# Altium PCB Archimajor.PcbDoc (part 3 of 13) (continued)
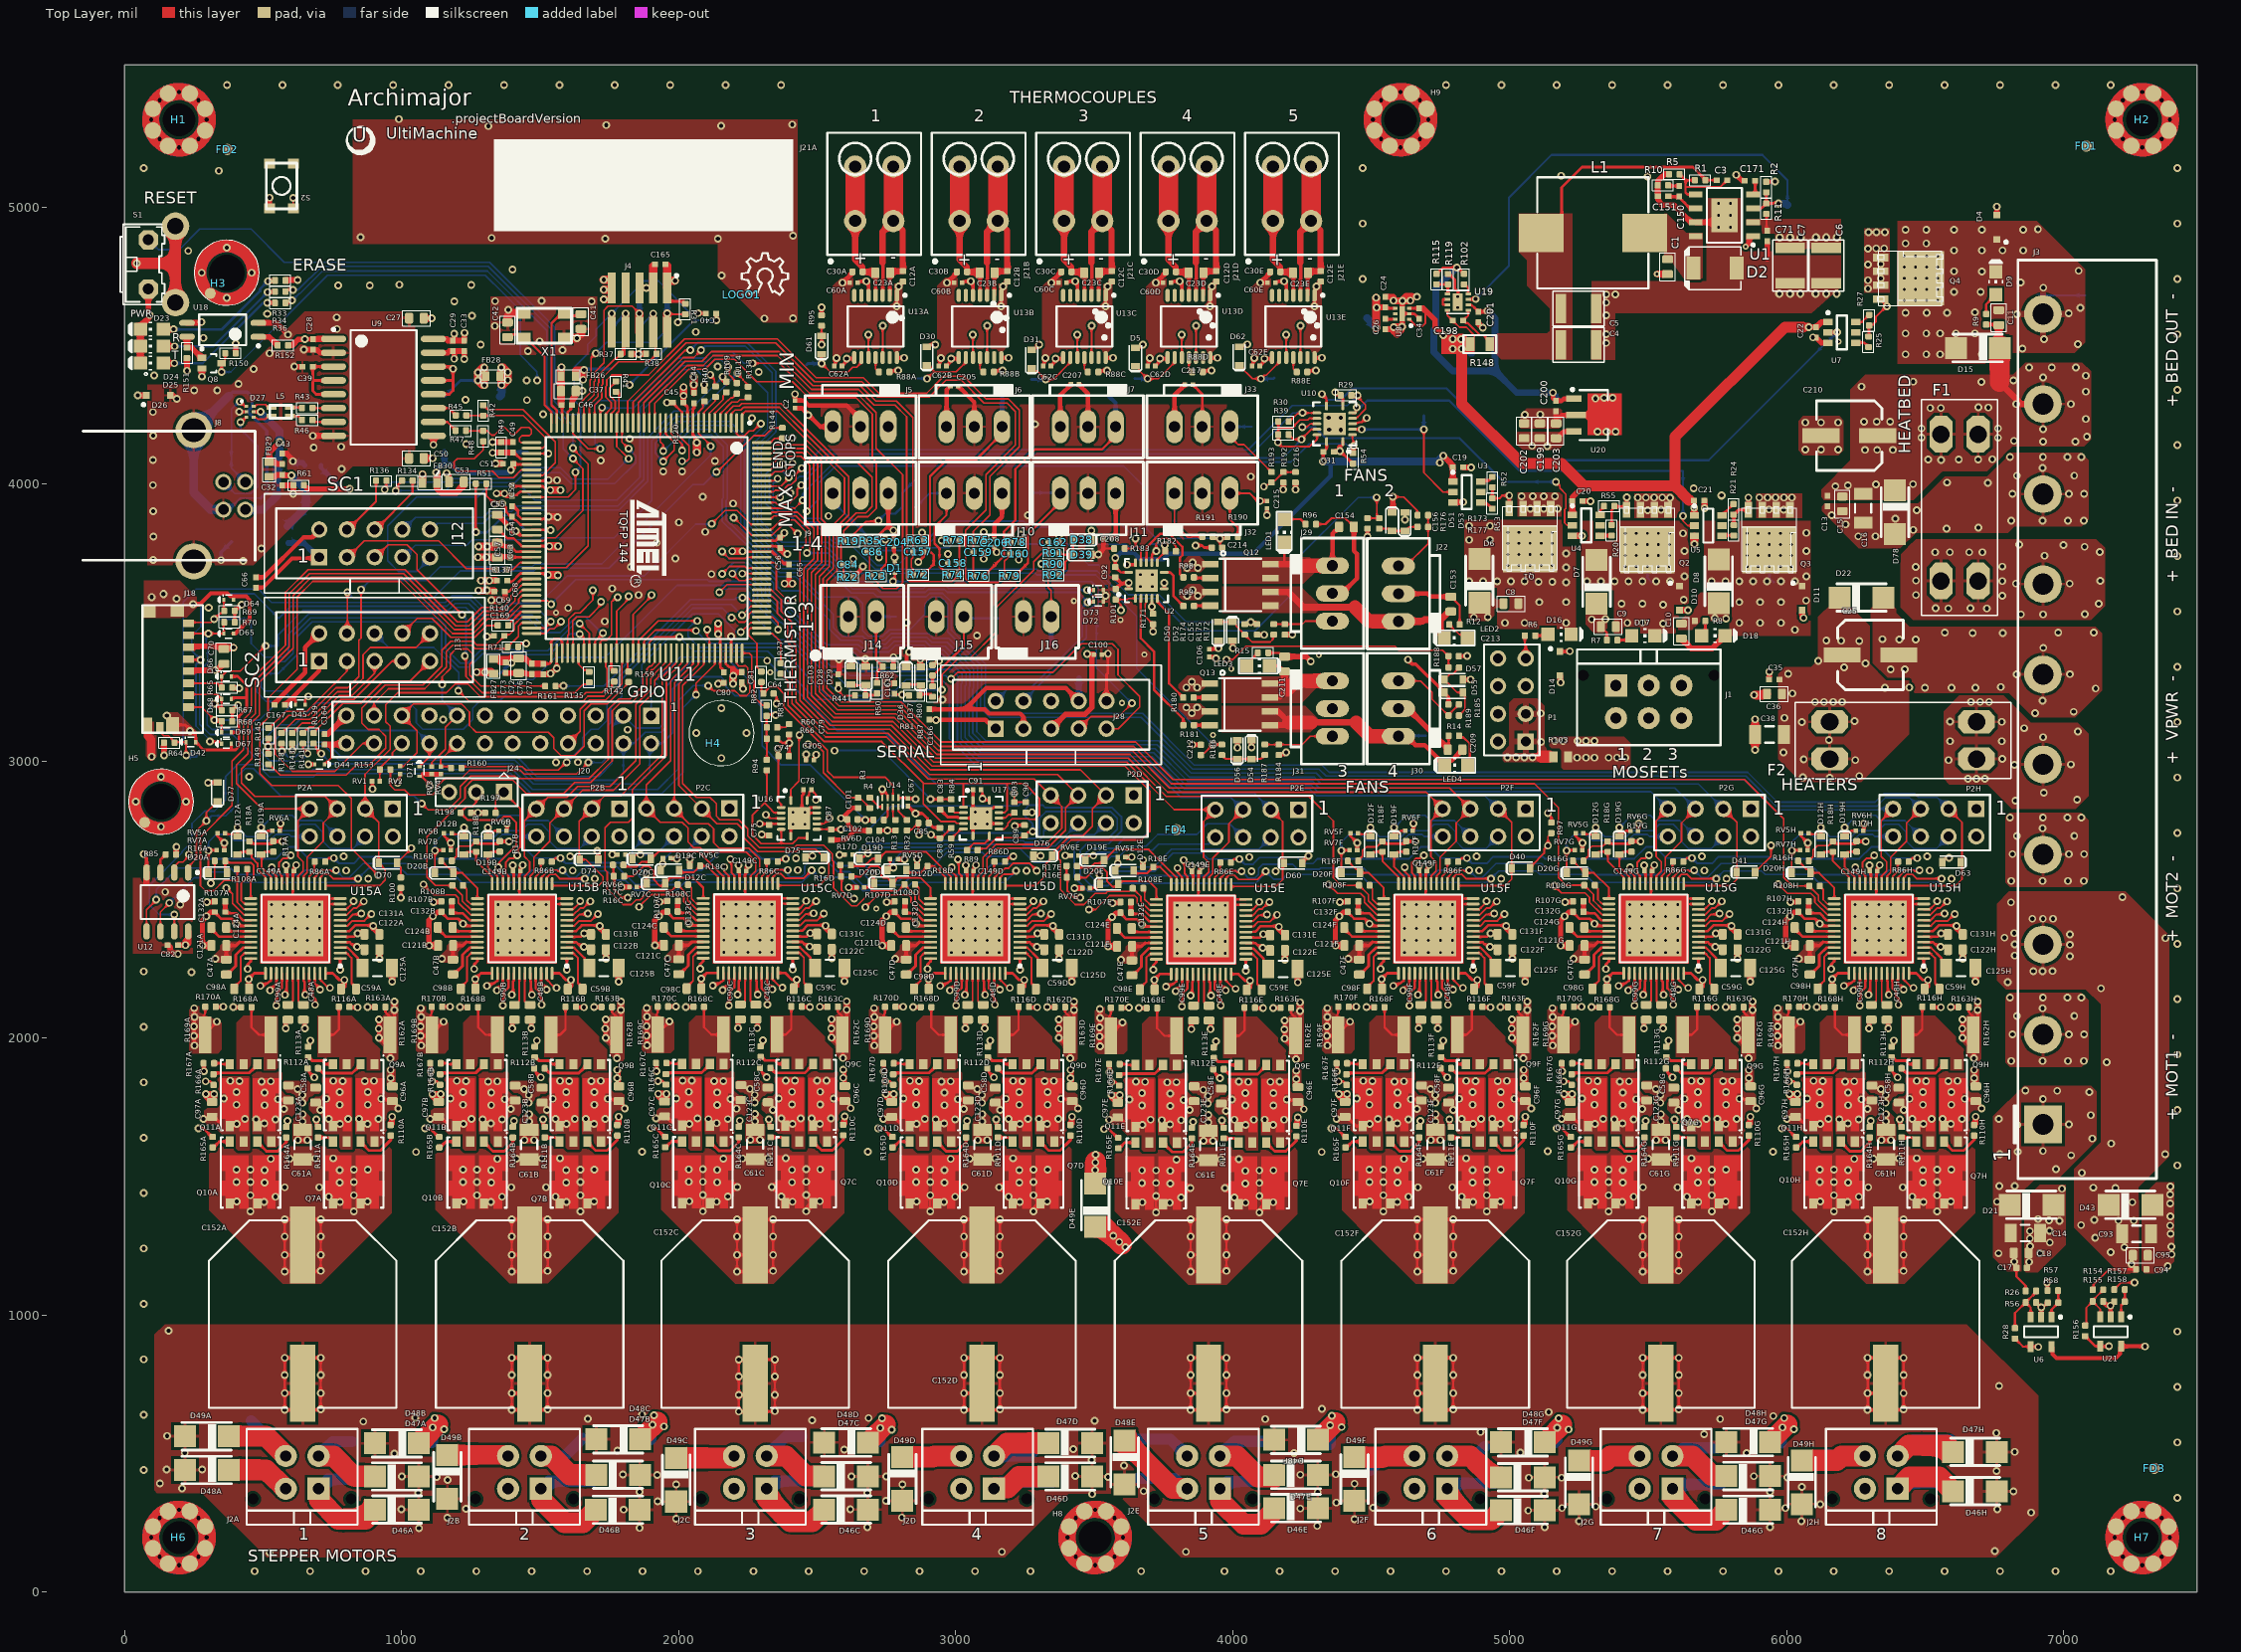
[diagram p0: Top Layer view]
## Part data (continued)
U2 U10: library part SN74AHCT125, "Quadruple Bus Buffer Gates With 3-State Outputs 14-VQFN -40 to 125", Manufacturer="Texas Instruments", TOLERANCE=-NA-, DISTRIBUTOR #=296-13910-2-ND, EE_SPEC="5V 8mA", MANUFACTURER #=SN74AHCT125RGYR, PART=SN74AHCT125RGYR, PART DESCRIPTION="Buffer, Non-Inverting 4 Element 1 Bit per Element Push-Pull Output 14-VQFN (3.5x3.5)"
  U2: DISTRIBUTOR=Digikey
  U10: DISTRIBUTOR="Digi-Key Electronics"
U3 U4 U5 U7: "MOSFET DRVR 3A 1-OUT High Speed Non-Inv6-Pin SOT-26 T/R", Manufacturer="Diodes Incorporated", MANUFACTURER #=ZXGD3009E6TA, TOLERANCE=-NA-, DISTRIBUTOR="Digi-Key Electronics", DISTRIBUTOR #=ZXGD3009E6TADITR-ND, EE_SPEC="40V 2A", PART=ZXGD3009E6TA, PART DESCRIPTION="Low-Side Gate Driver IC Non-Inverting SOT-26"
U6 U21: "IC QUAD DIFF COMPARATOR 14 -SOIC", Manufacturer="TEXAS INSTRUMENTS", MANUFACTURER #=AP331AWG-7, DISTRIBUTOR=DIGI-KEY, DISTRIBUTOR #=AP331AWGDITR-ND, PART=AP331AWG-7
U8: "LDO 3.3V 500mA - low ESR Cout", Manufacturer=Microchip, TOLERANCE=-NA-, DISTRIBUTOR="Digi-Key Electronics", DISTRIBUTOR #=576-3680-2-ND, EE_SPEC=500mA, MANUFACTURER #=MIC5353-3.3YMT-TR, PART=MIC5353-3.3YMT-TR, PART DESCRIPTION="Linear Voltage Regulator IC Positive Fixed 1 Output 3.3V 500mA 6-TMLF® (1.6x1.6)"
U9: library part ADuM4160, "USB Opto Isolator", Manufacturer="Analog Devices", MANUFACTURER #=ADUM3160BRWZ-RL, TOLERANCE=-NA-, DISTRIBUTOR="Digi-Key Electronics", DISTRIBUTOR #=ADUM3160BRWZ-RLTR-ND, EE_SPEC="2500V ISO", PART=ADUM3160BRWZ-RL, PART DESCRIPTION="USB Digital Isolator 2500Vrms 2 Channel 12Mbps 25kV/µs CMTI 16-SOIC (0.295\", 7.50mm Width)"
U11: library part ATML-ATSAM3X-LQFP-144, "Atmel", TOLERANCE=-NA-, DISTRIBUTOR="Digi-Key Electronics", DISTRIBUTOR #=ATSAM3X8EA-AU-ND, EE_SPEC=3.3V, Manufacturer=Atmel, MANUFACTURER #=ATSAM3X8EA-AU, PART=ATSAM3X8EA-AU, PART DESCRIPTION="ARM® Cortex®-M3 SAM3X Microcontroller IC 32-Bit 84MHz 512KB (512K x 8) FLASH 144-LQFP (20x20)"
U12: "IC FLASH 16M SPI 104MHZ 8SOIC", Manufacturer=Adesto, TOLERANCE=-NA-, EE_SPEC=3.3V, MANUFACTURER #=AT25SF161-SSHD-T, PART=AT25SF161-SSHD-T, PART DESCRIPTION="IC FLASH 16M SPI 104MHZ 8SOIC"
U13A U13B U13C U13D U13E: library part MAX31856, "IC CONV THERMOCOUPLE 14TSSOP", Manufacturer=Maxim, VOLTAGE=3.3V, MANUFACTURER #=MAX31856MUD, PART=MAX31856MUD
U14: "Clock Fanout Buffer (Distribution) IC 1:4  8-XFDFN", Manufacturer=Nexperia, MANUFACTURER #=74AVC9112GTX, TOLERANCE=-NA-, DISTRIBUTOR=Digikey, DISTRIBUTOR #=296-4708-2-ND, EE_SPEC="Clock Buffer 1:4 3.6V", PART=74AVC9112GTX, PART DESCRIPTION="Clock Fanout Buffer (Distribution) IC 1:4  8-XFDFN"
U15A U15B U15C U15D U15E U15F U15G U15H: "IC STEPPER MOTOR DVR TQFP48-EP", Manufacturer=Trinamic, EE_SPEC="60V 1/256 Step", MANUFACTURER #=TMC5160-TA, PART DESCRIPTION="IC STEPPER MOTOR DVR TQFP48-EP"
U16 U17: "IC BUS BUFF TRI-ST QD 14VQFN", Manufacturer=TI, MANUFACTURER #=SN74LVC125ARGYR, TOLERANCE=-NA-, DISTRIBUTOR=Digikey, DISTRIBUTOR #=296-13961-2-ND, EE_SPEC="1.65-3.6Vcc, 5V tolerant inputs", PART=SN74LVC125ARGYR, PART DESCRIPTION="Buffer, Non-Inverting 4 Element 1 Bit per Element Push-Pull Output 14-VQFN (3.5x3.5)"
U18: library part "OPTO SO-4 OPNDRN OUT", "Optoisolator Transistor Output 3750Vrms 1 Channel 4-SO", Manufacturer=TOSHIBA, MANUFACTURER #=TLP293(TPL,E, TOLERANCE=-NA-, DISTRIBUTOR="Digi-Key Electronics", DISTRIBUTOR #=TLP293(TPLETR-ND, EE_SPEC="3.75kV Isolation", PART=TLP293(TPL,E, PART DESCRIPTION="Optoisolator Transistor Output 3750Vrms 1 Channel 4-SO"
U19: library part INA381_ALT, "IC COMPARATOR BIDIR 8WSON", Manufacturer=TI, TOLERANCE=-NA-, DISTRIBUTOR=Digikey, DISTRIBUTOR #=296-49078-2-ND, EE_SPEC="Vcc 2.7-5.5V; Vcm 26V", MANUFACTURER #=INA381A2IDSGR, PART=INA381A2IDSGR
U20: "IC REG LINEAR 5V 100MA SOT89-3", Manufacturer=ST, MANUFACTURER #=L78L05ABUTR, TOLERANCE=-NA-, DISTRIBUTOR=Digikey, DISTRIBUTOR #=497-1181-2-ND, EE_SPEC="Vin 30V, Iout 0.1A", PART=L78L05ABUTR, PART DESCRIPTION="Linear Voltage Regulator IC Positive Fixed 1 Output 5V 100mA SOT-89-3"
X1: library part 405C35B12M00000, "Crystal 12MHz ±30ppm (Tol) ±50ppm (Stability) 13pF FUND 50Ohm", Manufacturer=CTS, TOLERANCE="+/- 30ppm", DISTRIBUTOR="Digi-Key Electronics", DISTRIBUTOR #=CTX639TR-ND, EE_SPEC=-NA-, MANUFACTURER #=405C35B12M00000, PART=405C35B12M00000, PART DESCRIPTION="12MHz ±30ppm Crystal 13pF 60 Ohm -20°C ~ 70°C Surface Mount 4-SMD, No Lead (DFN, LCC)"

## Via types
v1: diameter 28, hole 15, Top Layer to Bottom Layer, tented both sides, 2412 vias
v2: diameter 22, hole 10, Top Layer to Bottom Layer, 302 vias
v3: diameter 28, hole 15, Top Layer to Bottom Layer, 113 vias
v4: diameter 29, hole 15, Top Layer to Bottom Layer, tented both sides, 16 vias
v5: diameter 30, hole 15, Top Layer to Bottom Layer, 16 vias
v6: diameter 22, hole 10, Top Layer to Bottom Layer, tented both sides, 11 vias

## Nets (pads, with @x,y where several pads share a name; then routed paths per layer and width w, separated by ;. In a path a pad name is that pad's centre, name@x,y a point inside that pad or via, vN(x,y) a via of type N, cw(c..) or ccw(c..) an arc to the next point about the centre after c; other vN are vias at no path point)
3.3VCC: C2.2 C24.1 C29.1 C33.1 C54.1 C57.2 C60A.2 C60B.2 C60C.2 C60D.2 C60E.2 C62A.2 C62B.2 C62C.2 C62D.2 C62E.2 C63.1 C67.2 C70.2 C78.2 C82.1 C91.2 C100.2 C105.2 C106.2 C149A.2 C149B.2 C149C.2 C149D.2 C149E.2 C149F.2 C149G.2 C149H.2 C164.1 C165.2 C204.2 C205.2 C206.2 C207.2 C208.2 C215.2 C217.2 D28.K D36.K D38.K D44.K D50.K D51.K D54.K D55.K FB27.1 FB28.2 FB30.1 J4.1 J5.3 J6.3 J7.3 J9.3 J10.3 J11.3 J18.4 J20.24 J28.5 J32.3 J33.3 R16A.2 R16B.2 R16C.2 R16D.2 R16E.2 R16F.2 R16G.2 R16H.2 R17A.1 R17B.1 R17C.1 R17D.1 R17E.1 R17F.1 R17G.1 R17H.1 R18A.2 R18B.2 R18C.2 R18D.2 R18E.2 R18F.2 R18G.2 R18H.2 R22.2 R31.2 R33.2 R35.2 R37.2 R38.2 R51.2 R62.2 R63.2 R64.2 R65.1 R67.2 R68.2 R69.1 R70.1 R73.2 R75.2 R78.2 R80.2 R85.2 R90.2 R95.1 R97.1 R100.1 R172.2 R173.2 R184.2 R185.2 R190.2 R192.2 R197.2 R198.2 S2.1 TP47.1 TP129.1 U8.4 U9.12 U9.13 U9.14 U9.16 U11.52 U11.57 U12.8 U13A.5 U13A.8 U13B.5 U13B.8 U13C.5 U13C.8 U13D.5 U13D.8 U13E.5 U13E.8 U14.1 U15A.20 U15B.20 U15C.20 U15D.20 U15E.20 U15F.20 U15G.20 U15H.20 U16.14 U17.14 | length 9096.3
  Top Layer w6: v1(312.16,2558.13) 312.16,2561.99 325.75,2575.58 325.75,2639.13 R16A.2@325.68,2639.19 ; R16B.2@1181.6,2639.19 1181.6,2639.43 1190.36,2648.19 1190.6,2648.19 1197.42,2655.01 1197.42,2679.82 1209.57,2691.97 1251.2,2691.97 1260.19,2700.96 1260.19,2701.2 1268.95,2709.96 R18B.2@1269.19,2709.96 ; R16F.2@4453.25,2639.19 4453.25,2640.47 4469.07,2656.29 4469.07,2676.08 4482.99,2690 4520.88,2690 4531.84,2700.96 4531.84,2701.2 4540.6,2709.96 R18F.2@4540.84,2709.96 ; v1(4578.46,3953.13) 4617.83,3953.13 4666.29,3904.67 4666.29,3888.62 R173.2@4667.73,3887.18 ; R16G.2@5266.25,2639.19 5266.25,2639.43 5275.01,2648.19 5275.25,2648.19 5283.39,2656.32 5283.39,2679.17 5297.16,2692.95 5336.83,2692.95 5344.84,2700.96 5344.84,2701.2 5353.6,2709.96 R18G.2@5353.84,2709.96 ; R16H.2@6079.25,2639.19 6079.25,2639.43 6088.01,2648.19 6088.25,2648.19 6095.39,2655.33 6095.39,2678.19 6111.14,2693.94 6150.82,2693.94 6157.84,2700.96 6157.84,2701.2 6166.6,2709.96 R18H.2@6166.84,2709.96
  Top Layer w7: v1(997.75,2506.27) R100.1@997.75,2541.51 ; R17C.1@1764.86,2625.28 1764.86,2584.86 R16C.2@1765.76,2583.96 ; R16C.2@1768.12,2583.96 1768.12,2534.1 1795.29,2506.93 v1(1816.85,2506.93) ; v1@2040.37,2644.75 2041.06,2645.45 v1(2041.06,2646.43) ; U16.14@2464.29,2856.89 2464.29,2868.22 2466.3,2870.23 2466.3,2871.99 2471.26,2876.95 2471.26,2888.25 C78.2@2479.05,2896.04 2495.78,2879.31 v1@2495.78,2859.62 ; R17D.1@2585.41,2624.33 2585.41,2583.9 R16D.2@2586.31,2583 ; R16D.2@2588.67,2583 2588.67,2533.14 2618.96,2502.85 v1(2633.89,2502.85) ; U14.1@2794.03,2866.82 2826.18,2866.82 C67.2@2828.46,2864.54 2854.27,2864.54 v1(2856.24,2862.57) ; v1@2860.92,2643.8 2861.61,2644.49 v1(2861.61,2645.47) ; C91.2@3091.26,2896.04 3096.02,2891.27 3096.02,2888.27 3097.12,2887.17 v1(3097.12,2863.56) 3103.44,2863.56 3109.09,2857.9 U17.14@3122.05,2857.9 ; R17E.1@3400.69,2621.35 3400.69,2580.93 R16E.2@3401.59,2580.03 ; R16E.2@3403.94,2580.03 3403.94,2530.16 3427.18,2506.93 v1(3449.72,2506.93) ; v1@3676.19,2640.82 3676.88,2641.51 v1(3676.88,2642.5)
  Top Layer w8: R65.1@388.91,3265.01 R65.1@391.91,3262.01 ; R68.2@389,3143.01 R67.2@389,3183.01 407,3201.01 v1(410,3201.01) ; R70.1@397.9,3501.01 R69.1@397.9,3542.01 ; D44.K@722.32,2987.65 746.93,3012.25 746.93,3059.83 ; R51.2@1306,4000.53 1306,3957.53 v1(1336,3927.53) ; v1(1364,3929.01) 1364,3927.83 1377.16,3914.67 1377.16,3902.73 1379,3900.89 1379,3897.83 C54.1@1400,3876.83 ; J4.1@1959,4707.82 1959,4696.9 J4.1@1963.73,4692.16 ; R190.2@4018.57,3809.3 4018.57,3843.72 3990.35,3871.94 J32.3@3990.35,3966.53 4061.12,3966.53 4088.99,3938.66 C215.2@4123.73,3938.66
  Top Layer w9: R18A.2@451.28,2709.96 460.43,2700.8 527.75,2700.8 536.91,2709.96 537.34,2709.53 v1(570,2709.53) ; v1(583.48,2623.21) 584.15,2622.54 C149A.2@584.15,2602.38 ; U15A.20@587.89,2556.51 C149A.2@587.89,2605.53 ; R18B.2@1269.19,2709.96 1278.35,2700.8 1345.66,2700.8 1354.82,2709.96 1355.25,2709.53 v1(1387.91,2709.53) ; C63.1@1393.6,3775.23 1413.41,3755.42 U11.57@1469.65,3755.42 ; C54.1@1399,3880.83 1411,3868.83 1413.24,3868.83 1428.23,3853.84 U11.52@1469.65,3853.84 ; v1(1401.4,2623.21) 1402.06,2622.54 C149B.2@1402.06,2602.38 ; U15B.20@1405.8,2556.51 C149B.2@1405.8,2605.53 ; R16C.2@1765.76,2583.96 R16C.2@1767.32,2582.4 ; v1(2216.67,2624.17) 2217.33,2623.5 C149C.2@2217.33,2603.34 ; U15C.20@2221.07,2557.47 C149C.2@2221.07,2606.49 ; R16D.2@2586.31,2583 R16D.2@2587.88,2581.44 ; v1(3037.22,2623.21) 3037.89,2622.54 C149D.2@3037.89,2602.38 ; U15D.20@3041.63,2556.51 C149D.2@3041.63,2605.53 ; R16E.2@3401.59,2580.03 R16E.2@3403.15,2578.46 ; v1(3852.49,2620.23) 3853.16,2619.57 C149E.2@3853.16,2599.4 ; U15E.20@3856.9,2553.53 C149E.2@3856.9,2602.55 ; R18F.2@4540.84,2709.96 4550,2700.8 4617.31,2700.8 4626.47,2709.96 4626.91,2709.53 v1(4659.57,2709.53) ; v1(4673.05,2623.21) 4673.72,2622.54 C149F.2@4673.72,2602.38 ; U15F.20@4677.46,2556.51 C149F.2@4677.46,2605.53 ; R18G.2@5353.84,2709.96 5363,2700.8 5430.31,2700.8 5439.47,2709.96 5439.91,2709.53 v1(5472.57,2709.53) ; v1(5486.05,2623.21) 5486.72,2622.54 C149G.2@5486.72,2602.38 ; U15G.20@5490.46,2556.51 C149G.2@5490.46,2605.53 ; R18H.2@6166.84,2709.96 6176,2700.8 6243.31,2700.8 6252.47,2709.96 6252.91,2709.53 v1(6285.57,2709.53) ; v1(6299.05,2623.21) 6299.72,2622.54 C149H.2@6299.72,2602.38 ; U15H.20@6303.46,2556.51 C149H.2@6303.46,2605.53
  Top Layer w10: R69.1@398,3542.01 420.18,3564.19 v1(422.83,3564.19) ; U9.12@1115.12,4323.53 1172.37,4323.53 1185.85,4337.01 1185.85,4372.23 ; U9.13@1115.12,4373.53 1184.56,4373.53 1185.85,4372.23 ; U9.14@1115.12,4423.53 1178.12,4423.53 v1(1185.85,4415.79) 1185.85,4372.23 ; R198.2@1251.27,2812.6 v1(1275.59,2812.6) R197.2@1301.87,2812.6 ; U11.57@1469.65,3755.42 U11.57@1478.55,3755.42 ; J4.1@1953.59,4659.27 2015.69,4659.27 R31.2@2024.52,4650.44 ; R95.1@2516.33,4608.83 v1(2516.33,4637.18) ; C62A.2@2590.15,4425.57 2606.88,4442.3 v1(2606.88,4452.14) 2630.33,4452.14 U13A.8@2634.44,4456.26 ; C60A.2@2646,4726.46 2651,4731.46 v1(2678,4731.46) 2685.62,4723.83 U13A.5@2685.62,4680.67 ; R35.2@2712.48,3795.12 2718.48,3801.12 2718.48,3810.56 2737.61,3829.7 2737.86,3829.7 2757,3848.84 ; C62B.2@2967.15,4425.57 2983.88,4442.3 v1(2983.88,4452.14) 3007.32,4452.14 U13B.8@3011.44,4456.26 ; C60B.2@3022.99,4726.46 3027.99,4731.46 v1(3054.99,4731.46) 3062.62,4723.83 U13B.5@3062.62,4680.67 ; C62C.2@3344.15,4425.57 3360.88,4442.3 v1(3360.88,4452.14) 3384.32,4452.14 U13C.8@3388.44,4456.26 ; C60C.2@3399.99,4726.46 3404.99,4731.46 v1(3431.99,4731.46) 3439.62,4723.83 U13C.5@3439.62,4680.67 ; C62D.2@3721.15,4425.57 3737.88,4442.3 v1(3737.88,4452.14) 3761.32,4452.14 U13D.8@3765.44,4456.26 ; C60D.2@3776.99,4726.46 3781.99,4731.46 v1(3808.99,4731.46) 3816.62,4723.83 U13D.5@3816.62,4680.67 ; C62E.2@4098.14,4425.57 4114.88,4442.3 v1(4114.88,4452.14) 4138.32,4452.14 U13E.8@4142.44,4456.26 ; C60E.2@4153.99,4726.46 4158.99,4731.46 v1(4185.99,4731.46) 4193.62,4723.83 U13E.5@4193.62,4680.67 ; v1(4182.79,3979.7) 4183.28,3980.19 4183.28,4003.51 4182.79,4004.01 R192.2@4183.77,4004.99 ; C24.1@4551.87,4638.04 4555.84,4634.07 U8.4@4586.68,4634.07 ; v1(5138.5,2811.39) 5138.5,2809.42 5150.31,2797.61 R97.1@5150.31,2777.14
  Top Layer w12: C105.2@2487.91,3002.34 2488.28,3002.71 2488.28,3008.61 2495.31,3015.64 2495.31,3023.02 v1(2496.7,3023.02) ; R80.2@2916.61,3346.02 2921.61,3351.02 2924.78,3351.02 2935.35,3361.59 v3(2939.68,3361.59) ; v3@2951.35,3800.2 2950.05,3798.91 v3(2950.05,3795.56) 2972.85,3795.56 2974.68,3797.39 R73.2@2975.95,3796.12 ; C106.2@3916.06,3402.93 3918.03,3404.9 3946.57,3404.9 v1(3948.54,3406.87) ; v1(4068.14,3049.11) D54.K@4068.14,3074.19 ; R184.2@4166.57,3021.26 4168.8,3023.49 4186.23,3023.49 v1(4193.62,3030.88) ; v1(4632.59,3365.53) 4648.34,3349.78 4661.02,3349.78 4753.64,3257.16 4758.67,3257.16 4764.48,3251.35 D55.K@4764.48,3247.42 4764.48,3243.48 4770.29,3237.67 4772.07,3237.67 4779.1,3230.64 R185.2@4779.1,3204.11
  Top Layer w15: C57.2@1346,3789.53 1360.3,3775.23 C63.1@1393.6,3775.23 ; R22.2@2630.75,3663.55 2631.41,3663.55 2665.07,3697.22 v1(2665.07,3702.14) ; R62.2@2776.12,3340.92 v3(2776.12,3374.54) ; D36.K@2823.52,3340.99 2823.52,3383.59 v3(2832.82,3392.88) ; R75.2@3101.74,3795.75 v3(3101.74,3826.47) ; v1(3235.4,3817.17) 3235.4,3789.81 R78.2@3235.52,3789.69
  Top Layer w16: R85.2@186.58,2662.21 187.06,2662.68 187.06,2688.87 v1(187.53,2689.34) ; R65.1@391.91,3262.01 v3(414,3262.01) ; R18C.2@2040.37,2621.43 v1@2040.37,2644.75 ; C2.2@2420.12,4273.72 2444.9,4273.72 2512.09,4206.53 J5.3@2557,4206.53 ; J9.3@2757,3966.53 2757,3848.84 2777.83,3828 C204.2@2777.83,3802.41 ; R18D.2@2860.92,2620.47 v1@2860.92,2643.8 ; v3(2878.66,3824.19) 2883.38,3824.19 2883.89,3823.68 R63.2@2883.89,3796.41 ; J6.3@2967.5,4206.53 2967.5,4339.79 C205.2@2981.3,4353.59 ; C206.2@3140.04,3800.44 3140.04,3853.59 3167.5,3881.05 J10.3@3167.5,3966.53 J10.3@3164.65,3963.67 ; v1(3309.33,3710.87) R90.2@3334.42,3710.87 ; J7.3@3378,4206.53 3378,4320.17 C207.2@3417.32,4359.5 ; D38.K@3490.43,3797.49 v1(3490.43,3830.95) ; C208.2@3562.01,3803.54 3578,3819.54 J11.3@3578,3966.53 ; R18E.2@3676.19,2617.5 v1@3676.19,2640.82 ; J33.3@3790.35,4206.53 3790.35,4320.53 C217.2@3828.46,4358.64
  Top Layer w20: R64.2@143.03,3066.19 143.03,3021.13 v1(143.7,3020.46) ; C82.1@194.15,2335.27 v1@220.17,2335.27 ; v1(220.17,2335.19) v1@220.17,2335.27 ; v1@230.02,2341.57 v1@223.13,2348.45 ; J18.4@231.9,3323.87 235.09,3327.06 v3@331.98,3327.06 ; v3(327,3328.01) 331.04,3328.01 v3@331.98,3327.06 ; C70.2@353,3347.01 v3@333.05,3327.06 ; S2.1@523.62,4995.08 v1(523.62,5033.21) ; R33.2@581.33,4734.43 583.36,4736.46 v1(625.13,4736.46) ; C164.1@722,3059.83 746.93,3059.83 797.3,3059.83 J20.24@801,3063.53 ; U9.16@1115.12,4523.53 1163.62,4523.53 1163.62,4521.45 1167.75,4517.32 C29.1@1186.1,4517.32 ; C29.1@1186,4517.23 C29.1@1186.1,4517.32 ; v1(1190.36,4542.38) 1190.36,4521.59 C29.1@1186.1,4517.32 ; v1(1227.31,4545.39) 1227.31,4517.38 C33.1@1227.36,4517.32 C29.1@1186.1,4517.32 ; v1(1336,3927.53) 1337.48,3929.01 v1(1364,3929.01) ; R37.2@1839.59,4468.51 1878.89,4468.51 R38.2@1879.81,4469.44 ; v1@1857,4464.31 v1(1857,4468.38) ; C165.2@1953.04,4792.97 C165.2@1959,4787.01 ; D28.K@2624.52,3342.21 v3@2624.52,3366.75 ; J28.5@3344.76,3116.39 3397.24,3168.86 3467.54,3168.86 3492.29,3193.61 3492.29,3376.58 C100.2@3499.31,3383.6 ; v1(3474.76,3386.39) 3475.18,3385.96 3492.29,3385.96 3496.95,3385.96 C100.2@3499.31,3383.6 ; C100.2@3499.94,3384.23 C100.2@3499.31,3383.6 ; v1(3948.54,3406.87) D50.K@3948.54,3434.42 ; R172.2@4188.7,3455.78 v1(4215.57,3455.78) ; v1(4519.87,4636.74) 4521.17,4638.04 C24.1@4551.87,4638.04 ; D51.K@4575.51,3897.02 4576.65,3897.02 4578.46,3898.83 v1(4578.46,3953.13) ; v1@220.17,2335.27 223.72,2335.27 220.76,2338.24 223.13,2340.61 v1@223.13,2348.45 ; v1@220.17,2335.27 220.17,2350.24 220.76,2350.82 ; 220.76,2350.82 223.13,2353.2 v1@223.13,2348.45 ; 220.76,2350.82 v1@223.13,2348.45 ; v3@331.98,3327.06 v3@333.05,3327.06 ; v3@331.98,3327.06 332.52,3326.53 v3@333.05,3327.06
  Top Layer w22: U9.13@1115.12,4373.53 U9.13@1116.12,4372.53
  Top Layer w23: U12.8@229.88,2384.54 U12.8@230.02,2384.68 v1@230.02,2341.57
  Top Layer w28: v1(1075.89,4035.5) 1075.89,4003.76 FB30.1@1076.06,4003.6 ; v1(1271.71,3320.47) v1@1295.86,3320.47 ; v1@1279,3773.53 v1(1309,3773.53) 1330,3773.53 ; v1(1299.73,4356.39) v1@1298.73,4357.39 ; J4.1@1959,4734.05 1959.25,4734.29 1960.23,4733.32 v1(1987.68,4733.32) ; v1(4518.57,4672.64) v1@4518.57,4635.45 ; v1(4519.87,4636.74) v1@4518.57,4635.45 ; v1@1298.73,4357.39 v1(1298.73,4420.39) 1293.73,4420.39 v1(1275.73,4402.39) v1(1275.73,4373.39) 1291.73,4357.39 v1@1298.73,4357.39 ; v1@4518.57,4635.45 4518.57,4560.93 4518.38,4561.12 v1(4518.38,4562.74) 4518.38,4635.26 v1@4518.57,4635.45
  Top Layer w30: v1@1295.86,3320.47 1295.91,3320.52 v1(1302.24,3320.52) 1323.02,3320.52 FB27.1@1326.93,3316.62 ; 1330,3773.53 1344.25,3787.78 C57.2@1346,3789.53 ; J4.1@1958.97,4734.08 1958.97,4781.89 ; J4.1@1959,4707.82 J4.1@1959,4734.05 ; 1959,4781.92 C165.2@1959,4787.01
  Mid1 w6: v1@309.24,2561.06 v1(312.16,2558.13)
  Mid1 w7: v1(3097.12,2863.56) 3097.2,2863.56 v1@3101.1,2859.66
  Mid1 w9: v1(583.48,2623.21) v1@585.13,2624.86 ; v1(1401.4,2623.21) v1@1403.05,2624.86 ; v1(2216.67,2624.17) v1@2218.32,2625.82 ; v1(3037.22,2623.21) v1@3038.87,2624.86 ; v1(3852.49,2620.23) v1@3854.14,2621.88 ; v1(4673.05,2623.21) v1@4674.7,2624.86 ; v1(5486.05,2623.21) v1@5487.7,2624.86 ; v1(6299.05,2623.21) v1@6300.7,2624.86
  Mid1 w12: v1@2495.72,3023.99 v1(2496.7,3023.02)
  Mid1 w20: v1@3474.32,3386.39 v1(3474.76,3386.39)
  Bottom Layer w10: TP129.1@1155,4315.01 1213.38,4373.39 v1(1275.73,4373.39)
  Bottom Layer w28: TP47.1@4485.38,4598.74 4518.38,4565.74 v1(4518.38,4562.74)
  other v1: 2495.71,2859.62 1278,3773.53 2775.78,3832.21 4099.13,3938.36 2468.12,4248.5
  other v3: 2623.74,3366.51
3.3VIO: C40.2 C45.1 C56.1 C69.1 C81.1 FB28.1 R40.1 R71.1 TP128.1 U11.11 U11.62 U11.105 U11.125 | length 1311.9
  Top Layer w8: R71.1@1420.94,3411.66 1433.74,3424.46 v1(1450.08,3424.46) ; v1@2017.7,4318.23 v1(2018,4318.53) ; C40.2@2135.36,4615.53 2136.94,4613.95 v1(2136.94,4590.57)
  Top Layer w9: C69.1@1378.18,3610.83 1387.69,3610.83 1433.85,3656.99 U11.62@1469.65,3656.99 ; C45.1@2021,4288.54 2032.64,4276.9 U11.11@2032.64,4219.98 ; U11.105@2170.43,3389.28 2170.43,3350.36 2178.23,3342.55 2179.02,3342.55 2182.57,3339.01 2198.44,3339.01 2200.63,3336.82 2213.92,3323.53 ; 2196.25,3332.45 2197.84,3334.03 ; U11.125@2300.35,3775.1 C56.1@2368.36,3775.1
  Top Layer w20: v1@1335.75,3580.15 1352.75,3580.15 1361.44,3580.15 1374.21,3592.92 C69.1@1374.21,3605.14 ; C45.1@2017.7,4297.01 v1@2017.7,4318.23 ; v1(2092.73,4358.58) 2092.73,4337.18 R40.1@2094,4335.91 ; v1@2196.18,3303.62 2196.18,3304.77 v1@2196.25,3304.84 ; 2196.25,3332.45 v1@2196.25,3304.84 ; v1(2197.83,3307.48) 2197.83,3306.42 v1@2196.25,3304.84 ; C81.1@2228,3321.23 2212.64,3321.23 v1@2196.25,3304.84 ; C56.1@2367.08,3768.53 2372.49,3763.12 2372.49,3759.89 2385.77,3746.62 v1(2392.83,3746.62)
  Top Layer w27: v1(2196.85,3278.94) v1@2196.85,3302.95
  Top Layer w28: v1(1324.38,3579.62) 1352.53,3579.62 v1(1352.75,3579.84) ; v1(1361,4356.53) v1@1360,4357.53 ; v1(2018,4318.53) v1(2018,4349.53) ; v1@2197.83,3305.27 v1(2197.83,3307.48) ; v1@1360,4357.53 v1(1360,4420.53) 1367,4420.53 v1(1384,4403.53) v1(1384,4374.53) 1367,4357.53 v1@1360,4357.53
  Bottom Layer w8: v1(1823.4,4357.15) 1823.4,4357.93 2055.99,4590.52 2081.17,4590.52 2081.22,4590.57 v1(2136.94,4590.57)
  Bottom Layer w28: TP128.1@1355,4315.01 1361,4321.01 v1(1361,4356.53)
5V0_AUX: C200.2 C201.2 R57.2 R102.2 R115.2 R157.2 TP7.TP U19.2 U20.1 | length 9147.7
  Top Layer w6: U19.2@4860.03,4646.67 4863.79,4642.91 4866.55,4642.91 4870.05,4639.41 ; R157.2@7182.5,1091.81 7182.5,1092.72 7206.59,1116.81 v1@7256.1,1116.81
  Top Layer w8: R115.2@4736.47,4758.51 4759.47,4781.51 v3(4809.47,4781.51) 4810.24,4780.75 4813.24,4780.75 R102.2@4835.47,4758.51 ; U19.2@4850.35,4646.67 4860.03,4646.67 4861.03,4646.67 4863.79,4643.91 ; C201.2@4886.95,4621.51 C201.2@4886.95,4622.12 ; v1(6940.2,1117.03) 6940.84,1116.39 6940.84,1088.81 R57.2@6941.48,1088.17 ; C201.2@4886.95,4622.12 4886.95,4622.5 4870.05,4639.41 4870.05,4639.02 C201.2@4886.95,4622.12
  Top Layer w12: C201.2@4886.95,4621.51 4916.95,4621.51 v3(4919.95,4624.51)
  Top Layer w16: v1(5156.5,4329.5) 5156.5,4310.23 C200.2@5166.3,4300.43 5188.3,4300.43 5195.21,4307.34 U20.1@5231.96,4307.34
  Mid1 w8: v3(4919.95,4624.51) v3@4929.83,4624.51
  Mid1 w16: v3(4809.47,4781.51) v3@4809.47,4785.99
  Mid1 w24: v1(5156.5,4329.5) 5007.6,4478.39 5007.6,4728.89 4896.84,4839.65 4896.84,5067.41 5045.04,5215.61 5799.3,5215.61 5925.31,5089.59 5925.31,5077.79 5930.34,5072.76 5930.34,4996.43 5953.74,4973.03 6025.5,4973.03 6137.44,5084.97 6924.92,5084.97 7289.71,4720.17 7289.71,1150.64 v1(7256.1,1117.03) v1(6940.2,1117.03)
  Bottom Layer w16: v1(5156.5,4329.5) 5156.5,4326.83 5183.62,4299.71 TP7.TP@5188.3,4304.39
  Bottom Layer w24: v3(4809.47,4781.51) 4733.38,4705.42 4733.38,4563.66 4726.45,4556.73 4726.45,4476.16 4795.12,4407.5 4947.12,4407.5 ; v3(4919.95,4624.51) 4947.12,4597.35 4947.12,4407.5 ; v1(5156.5,4329.5) 5025.12,4329.5 4947.12,4407.5
+5VCC: C19.2 C20.2 C21.2 C22.1 C31.2 C34.1 C66.2 C92.2 C166.1 C167.2 C198.1 D45.K J12.1 J13.1 J28.3 J28.8 JP1.1 P2A.1 P2B.1 P2C.1 P2D.1 P2E.1 P2F.1 P2G.1 P2H.1 R148.2 R150.2 R151.2 TP4.TP TP36.1 U2.14 U3.1 U4.1 U5.1 U7.1 U8.1 U8.3 U10.14 U19.8 | length 19081
  Top Layer w6: U19.8@4775.55,4626.98 4775.55,4608.21 C198.1@4794.25,4589.51 4818.25,4565.51 4843.95,4565.51 4872.95,4536.51 4872.95,4529.51 4857.09,4513.65 R148.2@4857.09,4504.57
  Top Layer w7: U8.1@4637.86,4594.7 4660.82,4571.74 4686.87,4571.74 4695.87,4580.74 4695.87,4615.74 4677.53,4634.07 4677.17,4634.44 C34.1@4673.87,4634.44 ; v3(4824.61,4522.28) v3@4830.52,4528.19
  Top Layer w8: 606.5,3229.45 617.01,3218.95 D45.K@617.01,3203.2 ; v1(3576.47,3732.7) C92.2@3576.49,3700.17 3577.27,3700.17 3584.24,3693.2 3584.24,3692.42 3596.03,3680.63 U2.14@3624.73,3680.63 ; U4.1@5226.07,3887.85 U4.1@5226.37,3887.55
  Top Layer w10: v1(4326.49,4081.08) 4326.49,4115.72 C31.2@4327.56,4116.79 ; C31.2@4329.35,4116.79 4339.01,4126.46 U10.14@4339.01,4152.9 ; U8.3@4637.86,4634.07 4673.5,4634.07 C34.1@4673.87,4634.44
  Top Layer w12: U5.1@5665.92,3887.71 U5.1@5666.72,3886.9
  Top Layer w14: C66.2@474,3625.83 500.3,3625.83 513,3638.53 513,3639.71 604.82,3731.53 J12.1@703,3731.53
  Top Layer w15: R150.2@401.56,4471.67 401.56,4501.32 v3@403.14,4502.9
  Top Layer w16: C167.2@579.05,3202.01 606.5,3229.45 703,3325.95 J13.1@703,3360.53 ; C166.1@2905.26,3186.43 3034.17,3186.43 ; J28.3@3244.76,3113.84 J28.3@3244.76,3116.39 3244.76,3159.82 3233.72,3170.86 3120.79,3170.86 3105.22,3186.43 3034.17,3186.43 ; J28.8@3444.76,3216.39 3397.99,3263.16 3110.91,3263.16 3034.17,3186.43
  Top Layer w20: R151.2@225.67,4454.31 225.87,4454.12 v3(225.87,4408.51) ; C34.1@4673.5,4634.07 4677.53,4634.07 4688.12,4634.07 4731.12,4591.07 4731.12,4564.8 4772.65,4523.27 v4(4794.1,4523.27) ; v1(4760.55,4101.49) 4793.97,4068.07 4793.97,4059.64 4794.12,4059.48 C19.2@4794.79,4059.48 4794.79,4008.6 U3.1@4795.09,4008.3 ; U4.1@5226.37,3887.55 5226.37,3951.81 5268.09,3993.53 ; 5646.7,3941.67 5658.22,3941.67 5659.23,3940.66 5665.76,3940.66 C21.2@5665.92,3940.5 v1(5665.92,3913.5) U5.1@5665.92,3887.71 ; v1(6079.55,4566.02) C22.1@6106.32,4566.02 ; C22.1@6106.47,4565.87 6124.96,4584.37 U7.1@6149.12,4584.37
  Top Layer w30: 6058.92,4566.02 v1(6079.55,4566.02)
  Top Layer w40: v3(4826.58,4487.83) 4826.58,4290.03 5043.12,4073.5 5188.12,4073.5 5268.09,3993.53 5595.62,3993.53 5622.1,3967.05 5622.1,3966.27 5646.7,3941.67 ; 5597.12,3997.5 5597.12,4169.95 5993.19,4566.02 6058.92,4566.02 ; 5597.25,3997.42 5597.25,4034.91
  Mid1 w7: 4807.88,4505.55 v3(4824.61,4522.28)
  Mid1 w8: v1(3576.47,3732.7) v1@3576.47,3736.57
  Mid1 w15: 401.68,4474.45 v3(401.68,4506.73)
  Mid1 w20: 397.24,4471.41 397.5,4471.67 397.87,4472.04 ; 2179.32,2920.67 2183.97,2916.02 P2C.1@2183.97,2828.12
  Mid1 w24: 3244.76,2972.81 3244.76,2979.7 J28.3@3244.76,3116.39 ; J28.8@3444.76,3216.39 3493.29,3167.86 3493.29,2972.49 ; v3(4826.58,4487.83) 4843.91,4470.51
  Mid1 w26: P2A.1@968.7,2827.17 1022.64,2881.1 1022.64,2987 ; P2B.1@1786.61,2827.17 1786.61,2918.9 1788.39,2920.67 ; P2E.1@4237.71,2824.19 4237.71,2885.26 4288.85,2936.39 ; 4649.33,2936.39 4707.37,2878.35 5059.05,2878.35 ; P2F.1@5058.27,2827.17 5059.05,2827.95 5059.05,2878.35 ; P2H.1@6684.27,2827.17 6634.74,2876.69 5920.8,2876.69 P2G.1@5871.27,2827.17 5820.09,2878.35 5059.05,2878.35
  Mid1 w30: v3(225.87,4408.51) 225.87,4410.12 287.42,4471.67 397.5,4471.67 430.37,4471.67 565.27,4606.57 565.27,4746.93 594.31,4775.98 1033.47,4775.98 1148.62,4660.83 1148.62,4159.24 1151.57,4156.29 1151.57,4134.25 1210.63,4075.2 1210.63,3718.9 1150.26,3658.53 779,3658.53 776,3658.53
  Mid1 w36: v3(4794.1,4487.83) 4794.1,4518.79 v4(4794.1,4523.27) 4795.09,4522.28 v3(4824.61,4522.28) 4826.58,4520.31 v3(4826.58,4487.83) v3(4794.1,4487.83)
  Mid1 w50: J13.1@703,3360.53 637,3426.53 637,3516.53 779,3658.53 ; J12.1@703,3731.53 776,3658.53
  Mid1 w60: v4@4787.66,4525.24 4794.1,4518.79 4807.88,4505.01
  Mid1 w64: v4@4774.38,4538.51 v4@4782.81,4530.09
  Mid1 w68: J13.1@703,3360.53 456.69,3114.22 456.69,3028.94 554.13,2931.5 723.42,2931.5
  Mid1 w72: v4@4782.81,4530.09 v4@4787.66,4525.24
  Mid1 w80: 723.42,2931.5 778.93,2987 1022.64,2987 1403.16,2987 1469.49,2920.67 1788.39,2920.67 2179.32,2920.67 2457.38,2920.67 2461.27,2924.56 2655.21,2924.56 2710.35,2979.7 3244.76,2979.7 3245.09,2979.7
  Mid1 w120: 3244.76,2972.81 3245.09,2972.49 3493.29,2972.49 3619.1,2972.49 3655.2,2936.39 4288.85,2936.39 4649.33,2936.39 4750.7,3037.77 4750.7,4091.65 v1(4760.55,4101.49) 4794.1,4135.05 v3(4794.1,4487.83)
  Bottom Layer w16: v1(3576.47,3732.7) 3594.54,3750.77 3644.28,3750.77 3666.76,3728.29 3750.28,3728.29 3769.4,3747.42 4072.55,3747.42 4353.07,4027.93 4353.07,4081.08
  Bottom Layer w20: JP1.1@590.55,3786.66 647.87,3786.66 J12.1@703,3731.53 ; J28.8@3444.76,3216.39 TP4.TP@3444.76,3298.6 ; v3(4826.58,4487.83) 4828.11,4486.3 4842.04,4486.3 4857.84,4470.51 TP36.1@4865.95,4470.51
  Bottom Layer w30: v1(4326.49,4081.08) 4353.07,4081.08 4740.13,4081.08 v1(4760.55,4101.49)
  other v1: 4748.12,4076.5
  other v4: 4760.95,4537.51
CA1A: C99A.1 U15A.42 | length 123.5
  Top Layer w7: C99A.1@590.05,2119.31 593.2,2119.31 607.57,2133.68 U15A.42@607.57,2233.68
CA1B: C99B.1 U15B.42 | length 123.5
  Top Layer w7: C99B.1@1407.97,2119.31 1411.12,2119.31 1425.49,2133.68 U15B.42@1425.49,2233.68
CA1C: C99C.1 U15C.42 | length 123.5
  Top Layer w7: C99C.1@2223.24,2120.27 2226.39,2120.27 2240.76,2134.64 U15C.42@2240.76,2234.64
CA1D: C99D.1 U15D.42 | length 123.5
  Top Layer w7: C99D.1@3043.8,2119.31 3046.94,2119.31 3061.31,2133.68 U15D.42@3061.31,2233.68
CA1E: C99E.1 U15E.42 | length 123.5
  Top Layer w7: C99E.1@3859.07,2116.33 3862.22,2116.33 3876.59,2130.7 U15E.42@3876.59,2230.7
CA1F: C99F.1 U15F.42 | length 123.5
  Top Layer w7: C99F.1@4679.62,2119.31 4682.77,2119.31 4697.14,2133.68 U15F.42@4697.14,2233.68
CA1G: C99G.1 U15G.42 | length 123.5
  Top Layer w7: C99G.1@5492.62,2119.31 5495.77,2119.31 5510.14,2133.68 U15G.42@5510.14,2233.68
CA1H: C99H.1 U15H.42 | length 123.5
  Top Layer w7: C99H.1@6305.62,2119.31 6308.77,2119.31 6323.14,2133.68 U15H.42@6323.14,2233.68
CA2A: C98A.1 U15A.35 | length 168.1
  Top Layer w7: C98A.1@397.14,2176.2 397.14,2183.09 419.2,2205.14 419.2,2292.66 433.05,2306.51 U15A.35@456,2306.51
CA2B: C98B.1 U15B.35 | length 168.1
  Top Layer w7: C98B.1@1215.05,2176.2 1215.05,2183.09 1237.11,2205.14 1237.11,2292.66 1250.97,2306.51 U15B.35@1273.91,2306.51
CA2C: C98C.1 U15C.35 | length 168.1
  Top Layer w7: C98C.1@2030.33,2177.16 2030.33,2184.05 2052.38,2206.1 2052.38,2293.61 2066.24,2307.47 U15C.35@2089.18,2307.47
CA2D: C98D.1 U15D.35 | length 168.1
  Top Layer w7: C98D.1@2850.88,2176.2 2850.88,2183.09 2872.94,2205.14 2872.94,2292.66 2886.79,2306.51 U15D.35@2909.74,2306.51
CA2E: C98E.1 U15E.35 | length 168.1
  Top Layer w7: C98E.1@3666.15,2173.22 3666.15,2180.11 3688.21,2202.17 3688.21,2289.68 3702.07,2303.53 U15E.35@3725.01,2303.53
CA2F: C98F.1 U15F.35 | length 168.1
  Top Layer w7: C98F.1@4486.71,2176.2 4486.71,2183.09 4508.76,2205.14 4508.76,2292.66 4522.62,2306.51 U15F.35@4545.57,2306.51
CA2G: C98G.1 U15G.35 | length 168.1
  Top Layer w7: C98G.1@5299.71,2176.2 5299.71,2183.09 5321.76,2205.14 5321.76,2292.66 5335.62,2306.51 U15G.35@5358.57,2306.51
CA2H: C98H.1 U15H.35 | length 168.1
  Top Layer w7: C98H.1@6112.71,2176.2 6112.71,2183.09 6134.76,2205.14 6134.76,2292.66 6148.62,2306.51 U15H.35@6171.57,2306.51
CB1A: C59A.1 U15A.2 | length 167.3
  Top Layer w7: U15A.2@778.83,2306.51 802.19,2306.51 819.5,2289.21 819.5,2198.03 835.77,2181.76 C59A.1@835.77,2176.53
CB1B: C59B.1 U15B.2 | length 167.3
  Top Layer w7: U15B.2@1596.75,2306.51 1620.11,2306.51 1637.41,2289.21 1637.41,2198.03 1653.68,2181.76 C59B.1@1653.68,2176.53
CB1C: C59C.1 U15C.2 | length 167.3
  Top Layer w7: U15C.2@2412.02,2307.47 2435.38,2307.47 2452.68,2290.17 2452.68,2198.99 2468.96,2182.72 C59C.1@2468.96,2177.49
CB1D: C59D.1 U15D.2 | length 167.3
  Top Layer w7: U15D.2@3232.57,2306.51 3255.94,2306.51 3273.24,2289.21 3273.24,2198.03 3289.51,2181.76 C59D.1@3289.51,2176.53
CB1E: C59E.1 U15E.2 | length 167.3
  Top Layer w7: U15E.2@4047.85,2303.53 4071.21,2303.53 4088.51,2286.23 4088.51,2195.05 4104.78,2178.78 C59E.1@4104.78,2173.55
CB1F: C59F.1 U15F.2 | length 167.3
  Top Layer w7: U15F.2@4868.4,2306.51 4891.76,2306.51 4909.07,2289.21 4909.07,2198.03 4925.34,2181.76 C59F.1@4925.34,2176.53
CB1G: C59G.1 U15G.2 | length 167.3
  Top Layer w7: U15G.2@5681.4,2306.51 5704.76,2306.51 5722.07,2289.21 5722.07,2198.03 5738.34,2181.76 C59G.1@5738.34,2176.53
CB1H: C59H.1 U15H.2 | length 167.3
  Top Layer w7: U15H.2@6494.4,2306.51 6517.76,2306.51 6535.07,2289.21 6535.07,2198.03 6551.34,2181.76 C59H.1@6551.34,2176.53
CB2A: C48A.1 U15A.43 | length 126.2
  Top Layer w7: U15A.43@627.26,2233.68 627.26,2132.1 641.04,2118.32 C48A.1@646.16,2118.32
CB2B: C48B.1 U15B.43 | length 126.2
  Top Layer w7: U15B.43@1445.17,2233.68 1445.17,2132.1 1458.95,2118.32 C48B.1@1464.07,2118.32
CB2C: C48C.1 U15C.43 | length 126.2
  Top Layer w7: U15C.43@2260.44,2234.64 2260.44,2133.06 2274.22,2119.28 C48C.1@2279.34,2119.28
CB2D: C48D.1 U15D.43 | length 126.2
  Top Layer w7: U15D.43@3081,2233.68 3081,2132.1 3094.78,2118.32 C48D.1@3099.9,2118.32
CB2E: C48E.1 U15E.43 | length 126.2
  Top Layer w7: U15E.43@3896.27,2230.7 3896.27,2129.13 3910.05,2115.35 C48E.1@3915.17,2115.35